# Altium PCB MB V2.PcbDoc (part 2 of 2) (continued)
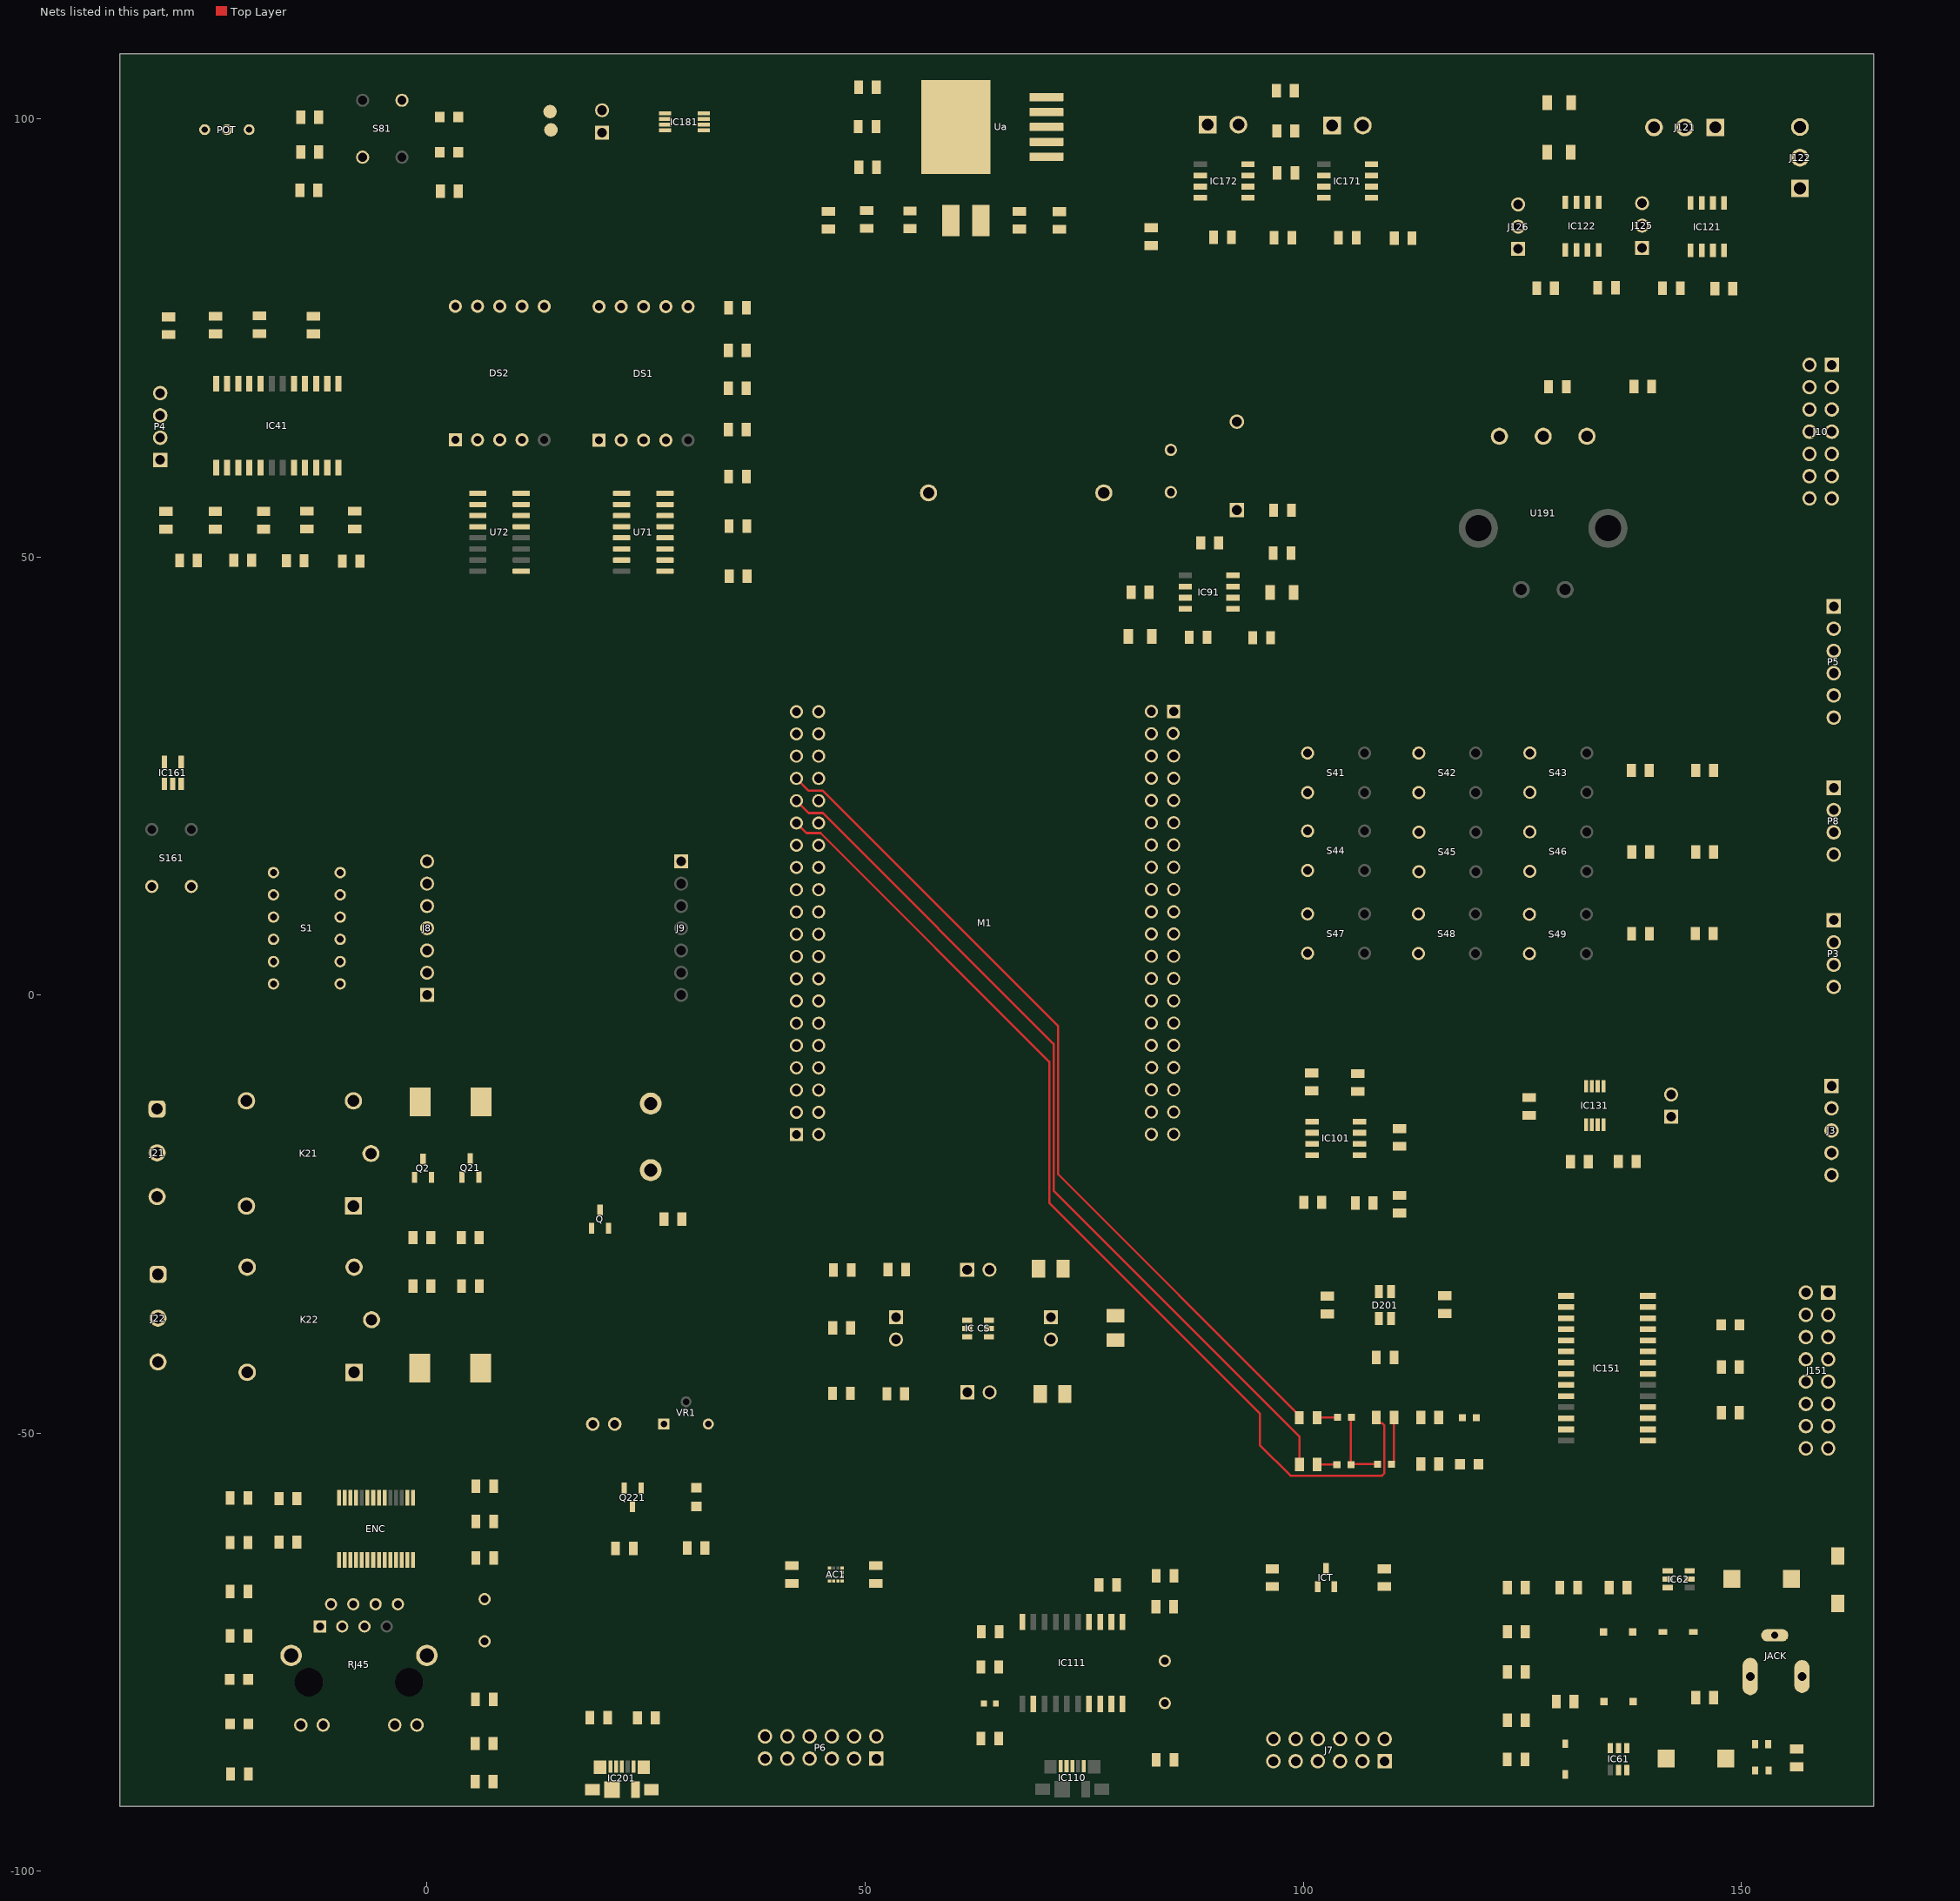
[diagram p2: the nets of this part, all layers, seen from the top]
## Part data (continued)
J125 J126: "WR-PHD Pin Header, THT, pitch 2.54mm, Single Row, Vertical, 3pin", Contact Resistance=20mOhm, Operating Temperature="-40 to +105degC", Rated Current=3A, Withstanding Voltage=500VAC, Working Voltage=250VAC, ComponentLink1Description=Manufacturer, ComponentLink1URL=http://www.we-online.de, ComponentLink2Description=Datasheet, ComponentLink2URL=https://katalog.we-online.de/em/datasheet/6130xx11121.pdf, Gender=Male, Mounting Technology=THT, Orientation=Vertical, Packaging=Bag, Part Number=61300311121, Pin Number=3, Pitch=2.54mm, Published Date="June 2019", Publisher="Wurth Elektronik", Row Number=Single
J151: "WR-PHD Pin Header, THT, pitch 2.54mm, Dual Row, Angled, 16pin", Contact Resistance=20mOhm, Operating Temperature="-40 to +105degC", Rated Current=3A, Withstanding Voltage=500VAC, Working Voltage=250VAC, ComponentLink1Description=Manufacturer, ComponentLink1URL=http://www.we-online.de, ComponentLink2Description=Datasheet, ComponentLink2URL=https://katalog.we-online.de/em/datasheet/6130xx21021.pdf, Gender=Male, Mounting Technology=THT, Orientation=Angled, Packaging=Bag, Part Number=61301621021, Pin Number=16, Pitch=2.54mm, Published Date="June 2019", Publisher="Wurth Elektronik", Row Number=Dual
J171 J172: "Connector", Manufacturer_Name="Phoenix Contact", Mouser Part Number=651-1844210, Arrow Part Number=1844210, Arrow Price/Stock=https://www.arrow.com/en/products/1844210/phoenix-contact?region=nac, Datasheet Link=http://www.phoenixcontact.com/gb/produkte/1844210, Height=8.25mm, Manufacturer_Part_Number=1844210, Mouser Price/Stock=https://www.mouser.co.uk/ProductDetail/Phoenix-Contact/1844210?qs=8BCRtFWWXORb3OQRdxIGVQ%3D%3D
L61 L62: "Inductor", Manufacturer_Name=Eaton, Mouser Part Number=704-DR73-150-R, Arrow Part Number=DR73-150-R, Arrow Price/Stock=https://www.arrow.com/en/products/dr73-150-r/eaton?region=nac, Datasheet Link=https://componentsearchengine.com/Datasheets/2/DR73-150-R.pdf, Height=3.55mm, Manufacturer_Part_Number=DR73-150-R, Mouser Price/Stock=https://www.mouser.co.uk/ProductDetail/Coiltronics-Eaton/DR73-150-R?qs=yzwxPInThYRaVHn%252B9CUUFw%3D%3D
LA: library part 744045391, "WE-LQ SMT Inductor, size 1812, 390uH, 0.11A", DC Resistance max.=13Ohm, Inductance=390uH, Manufacturer="Wurth Elektronik", Operating Temperature="-40 to +125degC", Rated Current=0.11A, Saturation Current=0.27A, Self Resonant Frequency=5MHz, ComponentLink1Description=Manufacturer, ComponentLink1URL=http://www.we-online.de, ComponentLink2Description=Datasheet, ComponentLink2URL=https://www.we-online.com/catalog/datasheet/744045391.pdf, Manufacturer Part Number=744045391, Mounting Technology=SMT, Packaging="Tape and Reel", Published Date="April 2020", Q-Factor=50, Size=1812
M1: "MCU CARD -PIC18F97J94 FOR mother board"
P3 P4 P8: "WR-PHD Pin Header, THT, pitch 2.54mm, Single Row, Angled, 4pin", Contact Resistance=20mOhm, Operating Temperature="-40 to +105degC", Rated Current=3A, Withstanding Voltage=500VAC, Working Voltage=250VAC, ComponentLink1Description=Manufacturer, ComponentLink1URL=http://www.we-online.de, ComponentLink2Description=Datasheet, ComponentLink2URL=https://katalog.we-online.de/em/datasheet/6130xx11021.pdf, Gender=Male, Mounting Technology=THT, Orientation=Angled, Packaging=Bag, Part Number=61300411021, Pin Number=4, Pitch=2.54mm, Published Date="June 2019", Publisher="Wurth Elektronik", Row Number=Single
P5: "WR-PHD Pin Header, THT, pitch 2.54mm, Single Row, Angled, 6pin", Contact Resistance=20mOhm, Operating Temperature="-40 to +105degC", Rated Current=3A, Withstanding Voltage=500VAC, Working Voltage=250VAC, ComponentLink1Description=Manufacturer, ComponentLink1URL=http://www.we-online.de, ComponentLink2Description=Datasheet, ComponentLink2URL=https://katalog.we-online.de/em/datasheet/6130xx11021.pdf, Gender=Male, Mounting Technology=THT, Orientation=Angled, Packaging=Bag, Part Number=61300611021, Pin Number=6, Pitch=2.54mm, Published Date="June 2019", Publisher="Wurth Elektronik", Row Number=Single
POT: "Resistor", Manufacturer_Name=Bourns, Mouser Part Number=652-3296W-1-101LF, Arrow Part Number=3296W-1-101LF, Arrow Price/Stock=https://www.arrow.com/en/products/3296w-1-101lf/bourns?region=nac, Datasheet Link=https://www.bourns.com/pdfs/3296.pdf, Manufacturer_Part_Number=3296W-1-101LF, Mouser Price/Stock=https://www.mouser.co.uk/ProductDetail/Bourns/3296W-1-101LF?qs=UcU9LKO1dwEefwKxVJG4Jw%3D%3D
Q Q2 Q21 Q221: library part S12302DS, "S12302DS Nchanel SMD SOT-23. VDS MAX 20. 400Ma DI"
R21 R22 R23 R24 R41 R42 R43 R44 R45 R46 R51 R52 R53 R54 R55 R56 R61 R62 R71 R72 R73 R74 R75 R76 R77 R81 R82 R83 R84 R91 R93 R94 R95 R101 R102 R103 R104 R105 R106 R111 R121 R122 R123 R124 R141 R142 R143 R144 R145 R146 R147 R148 R151 R152 R171 R172 R173 R174 R191 R192 R201 R202 RA RA1 RB RD RG RG1 RG2 RG3 RG4 RG5 RL RR RW: library part ERJ-6ENF1001V, "RES SMD 1K OHM 1% 1/8W 0805", Digi-Key Part Number=P1.00KCCT-ND, Manufacturer="Panasonic Electronic Components", Operating Temperature="-55°C ~ 155°C", Package / Case="0805 (2012 Metric)", Power (Watts)="0.125W, 1/8W", Supplier Device Package=0805, Temperature Coefficient=±100ppm/°C, Tolerance=±1%, @ qty=1500, Composition="Thick Film", Datasheets=http://industrial.panasonic.com/www-cgi/jvcr13pz.cgi?E+PZ+3+AOA0002+ERJ6ENF1001V+7+WW, Factory Stock=0, Failure Rate=-, Features="Automotive AEC-Q200", Height - Seated (Max)="0.028\" (0.70mm)", Image=//media.digikey.com/Renders/Panasonic%20Renders/ERJ-0805%20Pkg.jpg, Minimum Quantity=1, Number of Terminations=2, Packaging="Cut Tape (CT)", Part Number=ERJ-6ENF1001V, Part Status=Active, Quantity Available=12895103, Series=ERJ, Size / Dimension="0.079\" L x 0.049\" W (2.00mm x 1.25mm)", Unit Price (USD)=0.00729
R63 R64: "Resistor", LatestRevisionDate=29-May-2009, LatestRevisionNote="IPC-7351 Footprint Added.", PackageDescription="Chip Resistor", PackageReference=J1-0603, Published=8-Jun-2000, Publisher="Altium Limited"
R221 R225: library part ERJ-P6WJ105V, "RES SMD 1M OHM 5% 1/2W 0805", Digi-Key Part Number=P16990CT-ND, Manufacturer="Panasonic Electronic Components", Operating Temperature="-55°C ~ 155°C", Package / Case="0805 (2012 Metric)", Power (Watts)="0.5W, 1/2W", Supplier Device Package=0805, Temperature Coefficient=±200ppm/°C, Tolerance=±5%, @ qty=1500, Composition="Thick Film", Datasheets=https://industrial.panasonic.com/cdbs/www-data/pdf/RDA0000/AOA0000C243.pdf, Factory Stock=0, Failure Rate=-, Features="Automotive AEC-Q200, Pulse Withstanding", Height - Seated (Max)="0.030\" (0.75mm)", Image=//media.digikey.com/Renders/Panasonic%20Renders/ERJ-0805%20Pkg.jpg, Minimum Quantity=1, Number of Terminations=2, Packaging="Cut Tape (CT)", Part Number=ERJ-P6WJ105V, Part Status=Active, Quantity Available=3210, Series=ERJ, Size / Dimension="0.079\" L x 0.049\" W (2.00mm x 1.25mm)", Unit Price (USD)=0.08237
R222 R223 R224: library part ERJ-8BQFR22V, "RES SMD 0.22 OHM 1% 1/2W 1206", Digi-Key Part Number=P17624CT-ND, Manufacturer="Panasonic Electronic Components", Operating Temperature="-55°C ~ 125°C", Package / Case="1206 (3216 Metric)", Power (Watts)="0.5W, 1/2W", Supplier Device Package=1206, Temperature Coefficient=±250ppm/°C, Tolerance=±1%, @ qty=1500, Composition="Thick Film", Datasheets=https://industrial.panasonic.com/cdbs/www-data/pdf/RDA0000/AOA0000C239.pdf, Factory Stock=0, Failure Rate=-, Features="Automotive AEC-Q200, Current Sense", Height - Seated (Max)="0.028\" (0.70mm)", Image=//media.digikey.com/Renders/Panasonic%20Renders/ERJ-1206%20Pkg.jpg, Minimum Quantity=1, Number of Terminations=2, Packaging="Cut Tape (CT)", Part Number=ERJ-8BQFR22V, Part Status=Active, Quantity Available=11511, Series=ERJ, Size / Dimension="0.126\" L x 0.063\" W (3.20mm x 1.60mm)", Unit Price (USD)=0.05778
S1: "WS-DITV Compact THT Dip Switch, Flat Actuator, pitch 2.54mm, 6p", Operating Temperature="-40 to +85degC", Rated Current Non-Switching=100mA, Rated Current Switching=25mA, Rated Voltage Non-Switching=50VDC, Rated Voltage Switching=24VDC, Actuator Type="Flat Type", Circuit=SPST-NO, ComponentLink1Description=Manufacturer, ComponentLink1URL=http://www.we-online.de, ComponentLink2Description=Datasheet, ComponentLink2URL=https://katalog.we-online.com/em/datasheet/418117170906.pdf, Contact Material="Copper Alloy", Contact Plating=Gold, Mounting Technology=THT, Operation Force=800g, Packaging=Tube, Part Number=418117170906, Pitch=2.54mm, Pole Number=6, Published Date="September 2019", Publisher="Wurth Elektronik"
S41 S42 S43 S44 S45 S46 S47 S48 S49 S81 S161: "WS-TATV THT Tact Switch 6x6mm, height 4.3mm, 260gf", Operating Temperature="-40 to +85degC", Rated Current=50mA, Rated Voltage=12VDC, ComponentLink1Description=Manufacturer, ComponentLink1URL=http://www.we-online.de, ComponentLink2Description=Datasheet, ComponentLink2URL=https://katalog.we-online.com/em/datasheet/430156043726.pdf, Contact Material="Stainless Steel", Contact Plating=Silver, Height=4.3mm, Mounting Technology=THT, Operation Force=260gf, Packaging=Bulk, Part Number=430156043726, Published Date="September 2019", Publisher="Wurth Elektronik", Terminal Material="Copper Alloy", Terminal Plating=Silver, Washable=No
S51: "WS-TASV J-Bend SMT Tact Switch 6x3.5mm, height 4.3mm, 260gf", Operating Temperature="-40 to +85degC", Rated Current=50mA, Rated Voltage=12VDC, ComponentLink1Description=Manufacturer, ComponentLink1URL=http://www.we-online.de, ComponentLink2Description=Datasheet, ComponentLink2URL=https://katalog.we-online.com/em/datasheet/434113043826.pdf, Contact Material="Stainless Steel", Contact Plating=Silver, Height=4.3mm, Mounting Technology=SMT, Operation Force=260gf, Packaging="Tape and Reel", Part Number=434113043826, Published Date="September 2019", Publisher="Wurth Elektronik", Terminal Material="Copper Alloy", Terminal Plating=Silver, Washable=No
U71 U72: "50-V, 7-ch darlington transistor array, -20C to 70C", Package="SOIC-16 Texas Instruments", Availability="In Stock", Check_prices=https://www.snapeda.com/parts/ULN2003ADR/Texas+Instruments/view-part/?ref=eda, MF="Texas Instruments", MP=ULN2003ADR, Price=None, Purchase-URL=https://pricing.snapeda.com/search/part/ULN2003ADR/?ref=eda, SnapEDA_Link=https://www.snapeda.com/parts/ULN2003ADR/Texas+Instruments/view-part/?ref=snap
U191: "Undefined or Miscellaneous", Manufacturer_Name=Bourns, Mouser Part Number=652-PEC16-4220FS0024, Arrow Part Number=PEC16-4220F-S0024, Arrow Price/Stock=https://www.arrow.com/en/products/pec16-4220f-s0024/bourns, Datasheet Link=https://www.bourns.com/pdfs/PEC16.pdf, Height=28mm, Manufacturer_Part_Number=PEC16-4220F-S0024, Mouser Price/Stock=https://www.mouser.co.uk/ProductDetail/Bourns/PEC16-4220F-S0024?qs=6FD5PBp7ZtQte%252Bg7b%2FiMUw%3D%3D
U210: library part NSL-19M51, "Undefined or Miscellaneous", Manufacturer_Name=Silonex, Datasheet Link=http://uk.rs-online.com/web/p/products/9146710, Manufacturer_Part_Number=NSL-19M51
Ua: "Single Output Any Cap LDO, 1 A, Adjustable 1.2 to 5 V Output, 1.8 to 6 V Input, with Integrated SVS, 5-pin DDPAK (KTT), -40 to 125 degC, Green (RoHS & no Sb/Br)", Manufacturer="Texas Instruments", PartNumber=TPS72501KTTT, Accuracy(%)=2, Code_JEDEC=TO-263, ComponentLink1Description="Manufacturer URL", ComponentLink1URL=http://www.ti.com/, ComponentLink2Description=Datasheet, ComponentLink2URL=http://www.ti.com/general/docs/lit/getliterature.tsp?genericPartNumber=TPS72501&fileType=pdf, ComponentLink3Description="Package Specification", ComponentLink3URL=http://www.ti.com/litv/pdf/mpsf007e, DatasheetVersion=SLVS341E, Eco-Plan="Green (RoHS & no Sb/Br)", Iout(Max)(A)=1, Iq(Typ)(mA)=0.07, Mounting Technology="Surface Mount", PackageDescription="3-Pin Plastic Flange Mount, Body 10.16 x 10.34 mm, Pitch 1.7 mm", PackageReference=KTT0005A, PackageVersion=4200577-3/F, SubFamily="Single Channel LDO", Vdo(Typ)(mV)=170, Vin(Max)(V)=6, Vin(Min)(V)=1.8, Vout Adj(Max)(V)=5.5, Vout Adj(Min)(V)=1.22
VR1: library part Trimmer, "Variable Trimmer Resisitor", Case Code (Imperial)=0612, Case Code (Metric)=1632, Case/Package=1206, Max Operating Temperature=125degC, Min Operating Temperature=-25degC, Package Quantity=5000, PartNumber=3362P-1-103LF, Power Rating="1 W", Resistance="50 mohm", Tolerance=1%, Voltage Rating="220 mV", ComponentLink1Description="Manufacturer URL", ComponentLink1URL=http://www.bourns.com/, ComponentLink2Description=Datasheet, ComponentLink2URL=http://www.bourns.com/docs/Product-Datasheets/3362.pdf, DatasheetVersion=May-16, Height="0.6 mm", Length="3.2 mm", Mount="Surface Mount", PackageDescription="3-Pin Through Hole Device, Body 6.6 x 6.99 mm, Pitch 2.54 mm", PackageReference=3326P, Packaging="Tape and Reel", Pins=2, REACH SVHC="No SVHC", RoHSCompliant=True, Width="1.6 mm"
Z61 Z62: "Zener Diode", Manufacturer_Name=STMicroelectronics, Mouser Part Number=511-BAT46ZFILM, Arrow Part Number=BAT46ZFILM, Arrow Price/Stock=https://www.arrow.com/en/products/bat46zfilm/stmicroelectronics?region=nac, Datasheet Link=https://datasheet.datasheetarchive.com/originals/distributors/SFDatasheet-5/sf-000113323.pdf, Manufacturer_Part_Number=BAT46ZFILM, Mouser Price/Stock=https://www.mouser.co.uk/ProductDetail/STMicroelectronics/BAT46ZFILM?qs=jZi1jxfVU96IWb4%2FLHMEiw%3D%3D

## Nets (pads, with @x,y where several pads share a name; then routed paths per layer and width w, separated by ;. In a path a pad name is that pad's centre, name@x,y a point inside that pad or via, vN(x,y) a via of type N, cw(c..) or ccw(c..) an arc to the next point about the centre after c; other vN are vias at no path point)
3.3V: "IC CS.3" AC1.9 AC1.10 B.1 C67.2 C68.2 C94.1 C115.1 C121.2 C122.2 C131.2 C132.1 C145.1 C211.1 C212.1 C223.2 Ct.1 D62.2 D91.1 ENC.15 ENC.19 ENC.20 ENC.25 ENC.28 IC91.8 IC101.3 IC101.7 IC101.8 IC111.17 IC121.8 IC122.8 IC131.1 IC151.9 IC161.5 IC201.1 ICT.1 J1.1 J2.1 J3.2 J7.8 J7.10 J7.12 J8.7 J10.9 J10.10 J23.1 L62.1 M1.77 R63.1 R93.1 R94.1 R95.2 R122.1 R124.1 R147.1 R148.2 R151.2 R201.1 R202.2 R221.2 RJ45.4
3V3_MCU: "IC CS.4" M1.64 R222.2 R223.2 R224.2
5V: "IC CS.6" C41.1 C63.2 C64.2 C113.1 C114.1 C221.1 C222.1 CA3.1 CA4.1 CA5.1 D21.2 D22.2 D61.2 D201.1 FB111.1 IC41.4 IC41.8 IC41.10 IC111.1 IC181.1 IC181.7 IC181.8 J7.2 J7.4 J7.6 J10.14 K21.A1 K22.A1 L61.1 LA.2 P3.1 P5.1 P8.1 POT.3 R51.2 R52.2 R53.2 R54.1 R55.1 R56.1 R61.2 R111.1 R191.2 R192.2 RD.1 RL.1 S81.4 U71.9 U72.9
12V: C46.1 C47.1 C62.1 C65.1 C171.1 C172.1 C173.1 C174.1 CA1.1 CA.1 IC41.24 IC61.5 IC62.5 IC171.3 IC172.3 J10.13 S51.2 Ua.1 Ua.2
CAN_Rx: IC171.4 IC172.4
CAN_Tx: IC171.1 IC172.1
D+: IC110.3 IC111.19
D-: IC110.2 IC111.18
GPA0: IC151.21 J151.16
GPA1: IC151.22 J151.14
GPA2: IC151.23 J151.12
GPA3: IC151.24 J151.10
GPA4: IC151.25 J151.8
GPA5: IC151.26 J151.6
GPA6: IC151.27 J151.4
GPA7: IC151.28 J151.2
GPB0: IC151.1 J151.1
GPB1: IC151.2 J151.3
GPB2: IC151.3 J151.5
GPB3: IC151.4 J151.7
GPB4: IC151.5 J151.9
GPB5: IC151.6 J151.11
GPB6: IC151.7 J151.13
GPB7: IC151.8 J151.15 R152.2
LEDA: ENC.27 R143.2
LEDB: ENC.26 R144.2
MCLR: IC161.1 J3.1 M1.76
Net32KHz_1: 32KHz.1 C92.1 IC91.2
Net32KHz_2: 32KHz.2 C91.1
NetB_2: B.2 Q.3
NetBT1_1: BT1.1 IC91.3 R91.2 SuperCap.1
NetC44_1: C44.1 IC41.16 R44.1
NetC45_1: C45.1 R42.1
NetC61_1: C61.1 D61.1 IC61.1
NetC61_2: C61.2 IC61.6 L61.2 Z61.1
NetC66_1: C66.1 D62.1 IC62.1
NetC66_2: C66.2 IC62.6 L62.2 Z62.1
NetC116_1: C116.1 FB111.2 IC110.1
NetC133_1: C133.1 J131.1
NetC133_2: C133.2 IC131.8
NetC141_2: C141.2 ENC.1
NetC144_1: C144.1 R145.1 R146.2 RJ45.5
NetCA2_1: CA2.1 RA1.1 RA.2 Ua.5
NetD1_1: D1.1 Q221.3
NetD1_2: D1.2 RD.2
NetD21_1: D21.1 K22.A2 Q2.3
NetD22_1: D22.1 K21.A2 Q21.3
NetD71_2: D71.2 R81.1
NetD72_2: D72.2 R82.1
NetD91_2: D91.2 R91.1
NetD131_2: D131.2 R143.1 RJ45.9
NetD132_2: D132.2 R144.1 RJ45.11
NetD141_2: D141.2 R152.1
NetD201_2: D201.2 RW.2
NetD201_3: D201.3 RR.2
NetD201_4: D201.4 RG.2
NetDG1_2: DG1.2 RG1.1
NetDG2_2: DG2.2 RG2.1
NetDG3_2: DG3.2 RG3.1 | length 5.4
  Top Layer w0.254: DG3.2@110.096,-53.543 110.363,-53.276 RG3.1@110.363,-48.209
NetDG4_2: DG4.2 RG4.1 | length 2.3
  Top Layer w0.254: RG4.1@101.6,-53.569 101.625,-53.594 DG4.2@103.848,-53.594
NetDG5_2: DG5.2 RG5.1 | length 2.3
  Top Layer w0.254: RG5.1@101.575,-48.235 101.6,-48.209 DG5.2@103.911,-48.209
NetDS1_1: DS1.1 DS2.1 R75.1
NetDS1_2: DS1.2 DS2.2 R74.1
NetDS1_4: DS1.4 DS2.4 R73.1
NetDS1_6: DS1.6 DS2.6 R72.1
NetDS1_7: DS1.7 DS2.7 R71.1
NetDS1_9: DS1.9 DS2.9 R76.1
NetDS1_10: DS1.10 DS2.10 R77.1
NetENC_14: ENC.14 R142.2
NetIC41_15: IC41.15 R43.2 R44.2
NetIC41_21: IC41.21 IC41.22 R41.2 R42.2
NetIC91_7: IC91.7 R95.1
NetIC101_1: IC101.1 R101.2 R102.1
NetIC101_5: IC101.5 R104.1 R106.1
NetIC101_6: IC101.6 R103.1 R105.1
NetIC111_4: IC111.4 R111.2
NetIC121_2: IC121.2 R123.1
NetIC121_6: IC121.6 J122.3
NetIC121_7: IC121.7 J122.2
NetIC122_2: IC122.2 R121.1
NetIC122_6: IC122.6 J121.3
NetIC122_7: IC122.7 J121.2
NetIC131_6: IC131.6 J131.2
NetIC151_18: IC151.18 R151.1
NetIC161_3: IC161.3 S161.2
NetIC171_6: IC171.6 J171.2 R171.1
NetIC171_7: IC171.7 J171.1 R171.2
NetIC171_8: IC171.8 R172.2
NetIC172_6: IC172.6 J172.2 R174.1
NetIC172_7: IC172.7 J172.1 R174.2
NetIC172_8: IC172.8 R173.2
NetIC181_6: "T PAD.2" IC181.6 J181.1
"NetIC CS_1": "IC CS.1" J4.2 R225.2
NetJ1_2: J1.2 R222.1
NetJ2_2: J2.2 R223.1
NetJ21_1: J21.1 K21.NO
NetJ21_2: J21.2 K21.COM
NetJ21_3: J21.3 K21.NC
NetJ22_1: J22.1 K22.NO
NetJ22_2: J22.2 K22.COM
NetJ22_3: J22.3 K22.NC
NetJ23_2: J23.2 R224.1
NetJACK_A: JACK.A S51.1
NetLA_1: LA.1 RA.1 Ua.4
NetQ2_1: Q2.1 R23.1 R24.2
NetQ21_1: Q21.1 R21.1 R22.2
NetQ221_1: Q221.1 U210.1 VR1.1
NetQ_1: Q.1 RB.2
NetR71_2: R71.2 U71.16
NetR72_2: R72.2 U71.15
NetR73_2: R73.2 U71.14
NetR74_2: R74.2 U71.13
NetR75_2: R75.2 U71.12
NetR76_2: R76.2 U71.11
NetR77_2: R77.2 U71.10
NetR83_2: R83.2 R84.1 S81.1
NetR141_2: R141.2 R142.1
NetRL_2: RL.2 VR1.3
OSC11: C112.1 IC111.2 Y111.2
OSC12: C111.1 IC111.3 Y111.1
OSC41: 25MHz.1 C142.1 ENC.23
OSC42: 25MHz.2 C143.1 ENC.24
OUT1: DS1.3 DS1.8 U72.16
OUT1A: IC41.17 P4.3
OUT1B: IC41.14 P4.1
OUT2: DS2.3 DS2.8 U72.15
OUT2A: IC41.20 P4.4
OUT2B: IC41.23 P4.2
PGC: J3.5 M1.80
PGD: J3.4 M1.79
RA0/SS2: M1.13 R101.1
RA1/SS3: IC131.2 M1.14
RA2/SS4: ENC.9 M1.15
RA3/SS5: J10.8 M1.16
RA4/SDO: ENC.6 IC101.2 J10.2 M1.9 P5.2 S1.4
RA5/SDI: ENC.7 IC131.4 J10.4 M1.10 P5.3 R106.2 S1.1
RB0/RGB-G: M1.71 RG.1
RB1: M1.60 P6.3
RB3: M1.70 P6.7
RB4: M1.69 P6.9
RB5: M1.68 P6.11
RC1: C43.1 IC41.9 R45.2
RC2: C42.1 IC41.5 R46.2
RC2/TEMP: Ct1.1 ICT.2 M1.1
RC3/SCL: AC1.1 IC91.6 IC151.12 IC181.2 J10.7 M1.61 P3.3 R94.2
RC4/SDA: AC1.4 IC91.5 IC151.13 IC181.3 J10.5 M1.63 P3.2 R93.2
RC6/LEDG: M1.7 RG2.2
RC7/LEDG: M1.6 RG3.2 | length 116.5
  Top Layer w0.254: M1.6@42.164,19.634 43.319,18.479 44.918,18.479 71.012,-7.614 71.012,-23.717 95.047,-47.752 95.047,-51.359 98.539,-54.851 108.995,-54.851 109.277,-54.569 109.277,-49.155 108.966,-48.844 108.712,-48.844 108.331,-48.463 RG3.2@108.331,-48.209
RD0/PWMOUT01: IC41.13 M1.51
RD1/PWMOUT11: IC41.12 M1.53
RD2/Phase1: IC41.11 M1.55
RD3/Phase2: IC41.3 M1.56
RD4/WDT: IC161.4 M1.57
RD5/ADC: M1.58 POT.2
RD6/BUZZER: M1.74 RB.1
RE0/KEY6: M1.24 R53.1 S43.1 S46.1 S49.1
RE1/KEY5: M1.23 R52.1 S42.1 S45.1 S48.1
RE2/RX1: IC122.4 M1.43
RE3/TX1: IC122.1 M1.44 R122.2
RE4/TX2: J125.2 M1.46 P8.2
RE5/TX4: M1.47 S1.6
RE6/RX4: M1.48 S1.5
RE7/DIR2: IC122.3 M1.49
Relay/Out1: R21.2 R23.2 U72.13
Relay/Out2: U72.14
RF2/RELAY: M1.39 U72.3
RF3/D-: IC201.2 M1.38 R201.2
RF4/D+: IC201.3 M1.36 R202.1
"RF5/SEG CON": M1.35 U72.1
"RF6/SEG CON": M1.34 U72.2
RF7/SEG: M1.33 U71.7
RG0/KEY2: M1.25 R55.2 S44.2 S45.2 S46.2
RG1/KEY1: M1.26 R54.2 S41.2 S42.2 S43.2
RG2/SEG: M1.27 U71.1
RG3/SEG: M1.28 U71.2
RG4/SEG: M1.30 U71.4
RG6/PWMOUT02: IC41.1 M1.52
RG7/RX2: J126.2 M1.45 P8.3
RH0/TX3: J10.3 M1.42
RH1/RX3: J10.1 M1.41
RH2/KEY3: M1.21 R56.2 S47.2 S48.2 S49.2
RH3/KEY4: M1.22 R51.1 S41.1 S44.1 S47.1
RH4/LED: M1.18 R81.2
RH5/LED: M1.19 R82.2
RH6/ENCODER: M1.20 R191.1 U191.A1
RH7/RELAY: M1.40 U72.4
RJ1: M1.75 P6.5
RJ2/RGB-B: M1.73 RW.1
RJ3/RGB-R: M1.72 RR.1
RJ4/LEDG: M1.5 RG4.2 | length 100.5
  Top Layer w0.254: M1.5@42.164,22.174 43.573,20.765 45.172,20.765 71.52,-5.582 71.52,-22.346 99.568,-50.394 RG4.2@99.568,-53.569
RJ5/LEDG: M1.4 RG5.2 | length 97.7
  Top Layer w0.254: M1.4@42.164,24.714 43.573,23.305 45.172,23.305 72.028,-3.55 72.028,-20.466 99.543,-47.981 RG5.2@99.543,-48.235
RJ6: M1.3 P6.4
RJ7: M1.2 P6.2
RK0/LEDG: M1.8 RG1.2
RK1: M1.62 P6.6
RK2: M1.65 P6.8
RK3: M1.66 P6.10
RK4: M1.67 P6.12
RK6: M1.59 P6.1
RK7/PWMOUT12: IC41.2 M1.54
RL0/DIR1: IC121.3 M1.50
RL1/SEG: M1.29 U71.3
RL2/SEG: M1.31 U71.5
RL3/SEG: M1.32 U71.6
RL4/ENCODER: M1.37 R192.1 U191.B1
RL5/BUTTON: M1.17 R83.1
RL6/SS1: M1.12 P5.5 S1.2
RL7/SCK: ENC.8 IC131.3 J10.6 M1.11 P5.4 R105.2 S1.3
RS485/RX2: IC121.4 J126.1
RS485/TX2: IC121.1 J125.1 R124.2
RX4/DIP: J8.2 S1.8
SCK/DIP: J8.4 S1.10
SDI/DIP: J8.6 S1.12
SDO/DIP: J8.3 S1.9
SS/DIP: J8.5 S1.11
TPIN+: ENC.13 R146.1 RJ45.3
TPIN-: ENC.12 R145.2 RJ45.6
TPOUT+: ENC.17 R148.1 RJ45.1
TPOUT-: ENC.16 R147.2 RJ45.2
TX4/DIP: J8.1 S1.7
USB/RX2: IC111.10 J126.3
USB/TX2: IC111.12 J125.3
VFB: IC61.3 IC62.3 R61.1 R62.2 R63.2 R64.1
VSS: "IC CS.2" "IC CS.5" "T PAD.1" AC1.5 AC1.6 AC1.7 AC1.8 BT1.2 C41.2 C42.2 C43.2 C44.2 C45.2 C46.2 C47.2 C62.2 C63.1 C64.1 C65.2 C67.1 C68.1 C91.2 C92.2 C94.2 C111.2 C112.2 C113.2 C114.2 C115.2 C116.2 C121.1 C122.1 C131.1 C132.2 C141.1 C142.2 C143.2 C144.2 C145.2 C171.2 C172.2 C173.2 C174.2 C211.2 C212.2 C221.2 C222.2 C223.1 CA1.2 CA2.2 CA3.2 CA4.2 CA5.2 CA.2 Ct1.2 Ct.2 D71.1 D72.1 D131.1 D132.1 D141.1 DG1.1 DG2.1 DG3.1 DG4.1 DG5.1 ENC.2 ENC.11 ENC.18 ENC.21 ENC.22 IC61.2 IC62.2 IC91.4 IC101.4 IC110.5 IC111.20 IC121.5 IC122.5 IC131.5 IC131.7 IC151.10 IC151.15 IC151.16 IC151.17 IC161.2 IC171.2 IC172.2 IC181.4 IC181.5 IC201.5 IC201.MP1 IC201.MP2 IC201.MP3 IC201.MP4 IC201.MP5 IC201.MP6 ICT.3 J3.3 J4.1 J7.1 J7.3 J7.5 J7.7 J7.9 J7.11 J9.1 J10.11 J10.12 J121.1 J122.1 J181.2 JACK.B JACK.C M1.78 P3.4 P5.6 P8.4 POT.1 Q2.2 Q21.2 Q221.2 Q.2 R22.1 R24.1 R41.1 R43.1 R45.1 R46.1 R62.1 R64.2 R84.2 R102.2 R103.2 R104.2 R121.2 R123.2 R141.1 R172.1 R173.1 R221.1 R225.1 RA1.2 RJ45.8 RJ45.10 RJ45.12 RJ45.15 RJ45.16 S161.1 SuperCap.2 U191.C1 U210.2 Ua.3 Ua.6 Z61.2 Z62.2 | length 8.5
  Top Layer w0.254: DG5.1@105.511,-48.209 105.448,-48.273 DG4.1@105.448,-53.594 105.499,-53.543 DG3.1@108.496,-53.543
pads on no net: AC1.2 AC1.3 AC1.11 AC1.12 DS1.5 DS2.5 ENC.3 ENC.4 ENC.5 ENC.10 IC41.6 IC41.7 IC41.18 IC41.19 IC61.4 IC62.4 IC91.1 IC110.4 IC110.MP1 IC110.MP2 IC110.MP3 IC110.MP4 IC110.MP5 IC110.MP6 IC111.5 IC111.6 IC111.7 IC111.8 IC111.9 IC111.11 IC111.13 IC111.14 IC111.15 IC111.16 IC151.11 IC151.14 IC151.19 IC151.20 IC171.5 IC172.5 IC201.4 J9.2 J9.3 J9.4 J9.5 J9.6 J9.7 RJ45. RJ45.7 S41.3 S41.4 S42.3 S42.4 S43.3 S43.4 S44.3 S44.4 S45.3 S45.4 S46.3 S46.4 S47.3 S47.4 S48.3 S48.4 S49.3 S49.4 S81.2 S81.3 S161.3 S161.4 U71.8 U72.5 U72.6 U72.7 U72.8 U72.10 U72.11 U72.12 U191.D1 U191.E1 U191.MH1 U191.MH2 VR1.2

## Silkscreen, mask and mechanical layers (free items; w line width, h text height)
Top Overlay:
  lines w0.254: -34.95,-47.422 12.878,-47.422 ccw(c12.878,-47.346) 12.954,-47.346 12.954,-5.817 cw(c12.878,-5.817) 12.878,-5.893 ; -34.925,-51.206 11.227,-51.206 11.227,-91.262 11.227,-92.456 ; -34.925,-5.842 12.878,-5.842 ; 116.84,-92.456 116.84,-90.043 116.84,-61.493 165.125,-61.493 ; 117.958,107.442 117.958,78.181 164.973,78.181 ; 119.151,-61.519 cw(c119.177,-61.519) 119.177,-61.493 ; -35.077,-3.581 -22.352,-3.581 -22.352,37.567 -35.077,37.567 -35.077,-3.581 ; -35.077,41.427 -3.505,41.427 -3.505,88.138 -35.077,88.138 -35.077,41.427 ; -34.976,89.967 8.407,89.967 8.407,107.442 -34.976,107.442 -34.976,89.967 ; -20.726,-3.327 34.722,-3.327 34.722,37.668 -20.726,37.668 -20.726,-3.327 ; -1.092,41.631 41.758,41.631 41.758,87.96 -1.092,87.96 -1.092,41.631 ; 11.252,89.738 39.878,89.738 39.878,107.442 11.252,107.442 11.252,89.738 ; 14.072,-92.532 30.683,-92.532 30.683,-75.946 14.072,-75.946 14.072,-92.532 ; 15.621,-71.298 35.662,-71.298 35.662,-40.081 15.621,-40.081 15.621,-71.298 ; 15.85,-36.043 35.814,-36.043 35.814,-5.791 15.85,-5.791 15.85,-36.043 ; 33.655,-92.532 55.016,-92.532 55.016,-75.946 33.655,-75.946 33.655,-92.532 ; 38.913,-74.955 54.686,-74.955 54.686,-59.995 38.913,-59.995 38.913,-74.955 ; 38.989,-57.658 89.002,-57.658 89.002,-23.419 38.989,-23.419 38.989,-57.658 ; 43.104,80.416 75.362,80.416 75.362,107.493 43.104,107.493 43.104,80.416 ; 45.263,37.465 108.102,37.465 108.102,76.073 45.263,76.073 45.263,37.465 ; 58.039,-92.456 88.748,-92.456 88.748,-60.122 58.039,-60.122 58.039,-92.456 ; 77.216,80.493 114.605,80.493 114.605,107.391 77.216,107.391 77.216,80.493 ; 91.338,-92.38 114.071,-92.38 114.071,-78.943 91.338,-78.943 91.338,-92.38 ; 91.389,-77.089 114.046,-77.089 114.046,-60.147 91.389,-60.147 91.389,-77.089 ; 95.606,-2.769 151.333,-2.769 151.333,33.045 95.606,33.045 95.606,-2.769 ; 95.758,-58.191 122.682,-58.191 122.682,-29.489 95.758,-29.489 95.758,-58.191 ; 95.758,-27.127 115.545,-27.127 115.545,-5.055 95.758,-5.055 95.758,-27.127 ; 97.079,-57.379 121.463,-57.379 121.463,-44.552 97.079,-44.552 97.079,-57.379 ; 97.13,-43.383 121.387,-43.383 121.387,-30.404 97.13,-30.404 97.13,-43.383 ; 111.303,37.719 148.615,37.719 148.615,76.048 111.303,76.048 111.303,37.719 ; 118.44,-26.975 151.867,-26.975 151.867,-5.055 118.44,-5.055 118.44,-26.975 ; 125.349,-58.217 165.049,-58.217 165.049,-29.489 125.349,-29.489 125.349,-58.217 ; 151.841,52.172 164.948,52.172 164.948,76.098 151.841,76.098 151.841,52.172 ; 155.169,-2.794 164.973,-2.794 164.973,48.311 155.169,48.311 155.169,-2.794 ; 155.219,-24.994 165.075,-24.994 165.075,-6.502 155.219,-6.502 155.219,-24.994
  text "GND" at 15.773,100.623 h1.22
  text "OUT" at 15.824,97.931 h1.22
  text "DIGITAL POT WITH I2C" at 13.294,94.008 h2.5
  text "LED AND POT" at -33.339,91.544 h2.5
  text "COMMUNICATION" at 16.08,91.519 h2.5
  text "RS-485 SECTION" at 121.283,87.342 h2.5 r90
  text "SEVEN SEGMENT" at 10.707,83.975 h2.5
  text "STEPPER MOTOR" at -28.325,83.467 h2.5
  text "REGULATOR" at 54.382,82.273 h2.5
  text "CAN SECTION" at 90.215,81.968 h2.5
  text "RTC SECTION" at 86.932,71.097 h2.5
  text "OUT2A" at -29.489,68.263 h1.22
  text "OUT1A" at -29.489,65.8 h1.22
  text "OUT2B" at -29.489,63.209 h1.22
  text "OUT1B" at -29.489,60.745 h1.22
  text "GSM AND GPRS" at 155.471,55.703 h2.5 r90
  text "ROTARY ENCODER" at 118.012,40.211 h2.5
  text "WIFI MODULE CONNECTORS" at -8.389,34.775 h2.5
  text "SDI" at -8.153,13.479 h1.52
  text "SS" at -8.153,10.964 h1.52
  text "SCK" at -8.153,8.399 h1.52
  text "WDT" at -31.747,6.121 h2.5
  text "SDO" at -8.153,5.884 h1.52
  text "I2C/UART/SPI EXTERNAL HEADER" at 157.605,4.171 h2.5 r90
  text "TX" at -8.153,3.327 h1.52
  text "RESET" at -32.854,2.263 h2.5
  text "RX" at -8.128,0.762 h1.52
  text "MATRIX KEYPAD" at 114.458,-0.356 h2.5
  text "SPI" at 110.032,-7.922 h2.5
  text "FLASH" at 108.361,-10.742 h2.5
  text "RELAY MODULES" at 9.756,-17.457 h2.5 r270
  text "EMIRATES AUTOMATION" at 93.035,-18.138 h5 r90
  text "DEBUGGER" at 158.113,-22.069 h2.5 r90
  text "DAC WITH SPI" at 127.435,-23.924 h2.5
  text "COMMUNICATION" at 126.062,-26.16 h2.5
  text "BUZZER" at 21.277,-31.849 h2.5
  text "RGB" at 113.903,-41.4 h2.5
  text "CURRENT SENSOR" at 52.307,-53.49 h2.5
  text "I2C EXTENDER GPIO PINS" at 128.228,-56.386 h2.5
  text "GENERAL LEDS" at 100.86,-56.716 h2.5
  text "USB TO UART" at 63.049,-64.082 h2.5
  text "LDR" at 23.444,-68.758 h2.5
  text "ACCELEROMETER" at 40.919,-72.145 h1.5
  text "TEMPERATURE" at 93.903,-72.337 h2.5
  text "SENSOR" at 97.934,-75.258 h2.5
  text "COMPITABLE" at 14.859,-79.068 h2.5
  text "EXTERNAL GPIOS" at 34.963,-79.477 h2.5
  text "LAN SECTION" at -26.139,-80.028 h2.5 r90
  text "5V-3.3V Header" at 94.902,-82.141 h2.5
  text "USB" at 28.273,-82.22 h2.5 r270
  text "POWER SUPPLY SECTION" at 119.86,-91.198 h2.5 r90
Bottom Overlay:
  text "5V" at -20.711,96.037 h1.52 r270
  text "GND" at -25.884,94.945 h1.52 r270
  text "RD5/ADC" at -23.319,91.923 h1.52 r270
  text "5V" at 163.726,-34.654 h1.52
  text "5V" at 155.725,-34.756 h1.52
  text "5V" at 163.853,-37.194 h1.52
  text "5V" at 155.852,-37.296 h1.52
  text "5V" at 163.803,-39.734 h1.52
  text "5V" at 155.802,-39.836 h1.52
  text "3.3V" at 163.853,-42.253 h1.52
  text "3.3V" at 155.852,-42.354 h1.52
  text "3.3V" at 163.853,-44.818 h1.52
  text "3.3V" at 155.852,-44.92 h1.52
  text "3.3V" at 163.853,-47.358 h1.52
  text "3.3V" at 155.852,-47.46 h1.52
  text "3.3V" at 164.133,-49.746 h1.52
  text "3.3V" at 156.03,-49.873 h1.52
  text "3.3V" at 164.133,-52.286 h1.52
  text "3.3V" at 156.03,-52.413 h1.52
  text "RJ7" at 50.815,-83.21 h1.52 r270
  text "RK4" at 38.115,-83.337 h1.52 r270
  text "RK3" at 40.651,-83.337 h1.52 r270
  text "RK2" at 43.064,-83.337 h1.52 r270
  text "RK1" at 45.604,-83.337 h1.52 r270
  text "RJ6" at 48.271,-83.337 h1.52 r270
  text "5V" at 108.778,-83.515 h1.52 r270
  text "5V" at 103.698,-83.591 h1.52 r270
  text "3.3V" at 96.074,-83.642 h1.52 r270
  text "3.3V" at 98.614,-83.642 h1.52 r270
  text "3.3V" at 101.179,-83.642 h1.52 r270
  text "5V" at 106.238,-83.642 h1.52 r270
  text "RB5" at 38.092,-90.83 h1.52 r270
  text "RB4" at 40.655,-90.83 h1.52 r270
  text "RB3" at 43.191,-90.83 h1.52 r270
  text "RJ1" at 45.858,-90.83 h1.52 r270
  text "RB1" at 48.398,-90.83 h1.52 r270
  text "RK6" at 50.811,-90.83 h1.52 r270
  text "GND" at 96.105,-91.745 h1.52 r270
  text "GND" at 98.652,-91.745 h1.52 r270
  text "GND" at 101.192,-91.745 h1.52 r270
  text "GND" at 103.859,-91.745 h1.52 r270
  text "GND" at 106.399,-91.745 h1.52 r270
  text "GND" at 108.812,-91.745 h1.52 r270

## Text inside footprints (layer, text, board x,y; h text height)
B: Top Overlay "+" at 23.749,-20.117 h1.52 r90
J3: Top Overlay "5" at 160.869,-22.389 h1.02 r90
J7: Top Overlay "11" at 93.676,-87.97 h1.02; Top Overlay "12" at 93.676,-85.37 h1.02; Top Overlay "2" at 110.626,-85.37 h1.02; Top Overlay "1" at 110.626,-87.97 h1.02
J8: Top Overlay "7" at -0.127,17.043 h1.02; Top Overlay "1" at -0.051,-2.438 h1.02
J9: Top Overlay "7" at 30.7,0.38 h1.02 r270; Top Overlay "1" at 30.7,15.36 h1.02 r270
J10: Top Overlay "14" at 158.255,53.747 h1.02 r90; Top Overlay "13" at 160.855,53.747 h1.02 r90; Top Overlay "1" at 160.855,73.237 h1.02 r90; Top Overlay "2" at 158.255,73.237 h1.02 r90
J151: Top Overlay "16" at 157.848,-54.66 h1.02 r90; Top Overlay "15" at 160.448,-54.66 h1.02 r90; Top Overlay "2" at 157.848,-32.63 h1.02 r90; Top Overlay "1" at 160.448,-32.63 h1.02 r90
P5: Top Overlay "6" at 161.122,29.808 h1.02 r90
P6: Top Overlay "11" at 35.663,-87.677 h1.02; Top Overlay "12" at 35.663,-85.077 h1.02; Top Overlay "2" at 52.613,-85.077 h1.02; Top Overlay "1" at 52.613,-87.677 h1.02
S1: Top Overlay "5" at -16.516,4.18 h1.02 r270; Top Overlay "4" at -16.516,6.72 h1.02 r270; Top Overlay "3" at -16.516,9.26 h1.02 r270; Top Overlay "ON" at -11.916,14.77 h1.02 r270; Top Overlay "1" at -16.516,14.2 h1.02 r270; Top Overlay "2" at -16.516,11.8 h1.02 r270; Top Overlay "6" at -16.516,1.64 h1.02 r270; Mechanical 13 "5" at -16.516,4.18 h1.02 r270; Mechanical 13 "4" at -16.516,6.72 h1.02 r270; Mechanical 13 "3" at -16.516,9.26 h1.02 r270; Mechanical 13 "1" at -16.516,14.2 h1.02 r270; Mechanical 13 "ON" at -11.916,14.77 h1.02 r270; Mechanical 13 "2" at -16.516,11.8 h1.02 r270; Mechanical 13 "6" at -16.516,1.64 h1.02 r270